# Altium PCB XT_NANO_DOCK.PcbDoc
Units mm, origin at the board's own origin, x right, y up, seen from the top; angles counter-clockwise.
Board outline 70.1 x 70 mm, 4 copper layers (Top Layer, Ground plane, Power plane, Bottom Layer), stack 1.571 mm thick; 100 components, 75 nets, 345 pads, 428 vias.
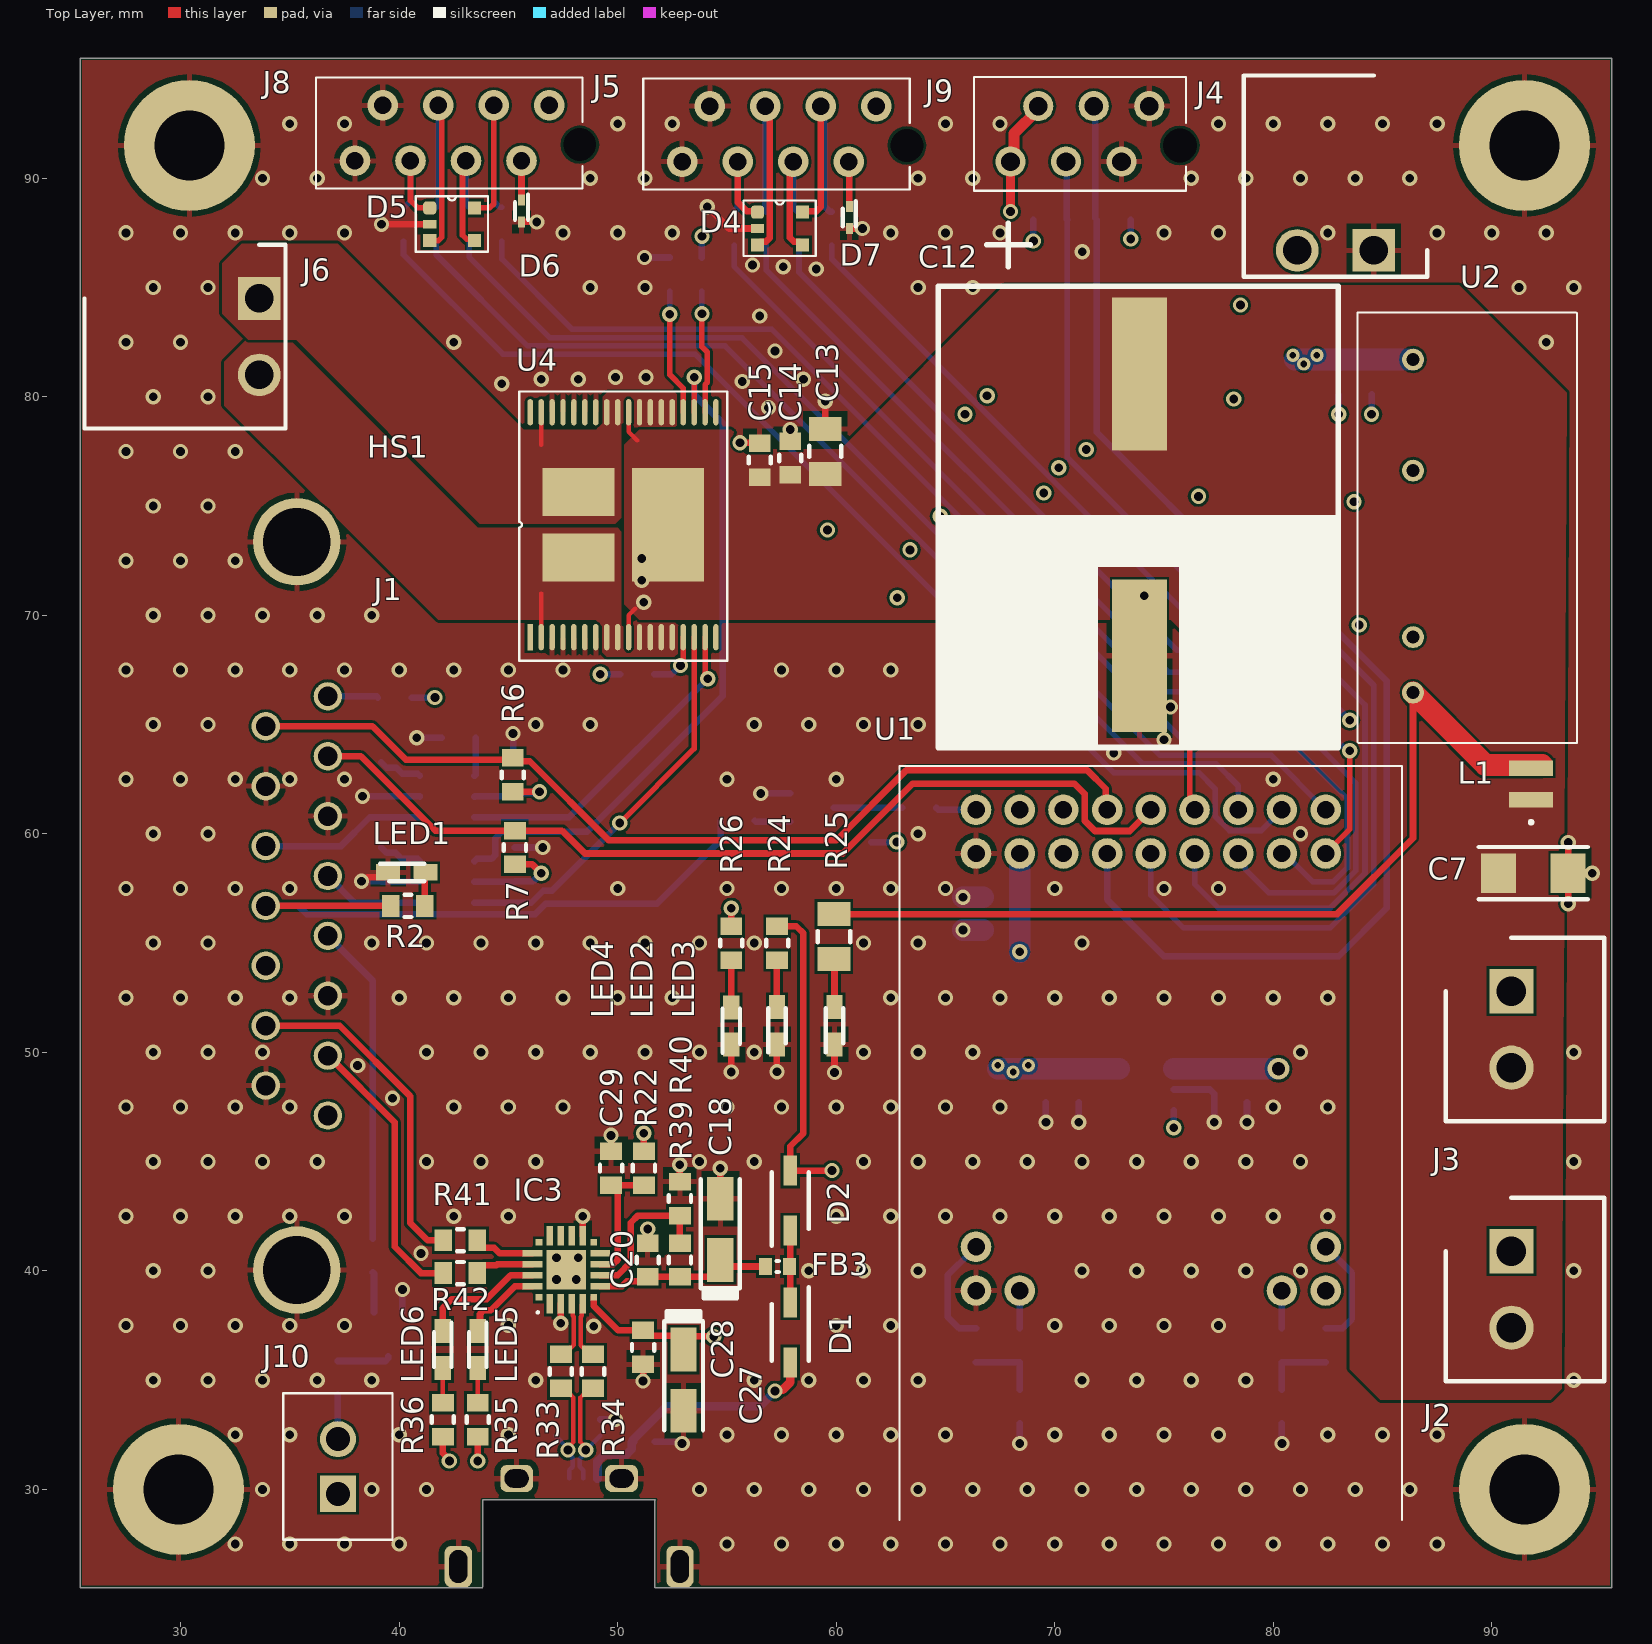
[diagram p0: Top Layer view]
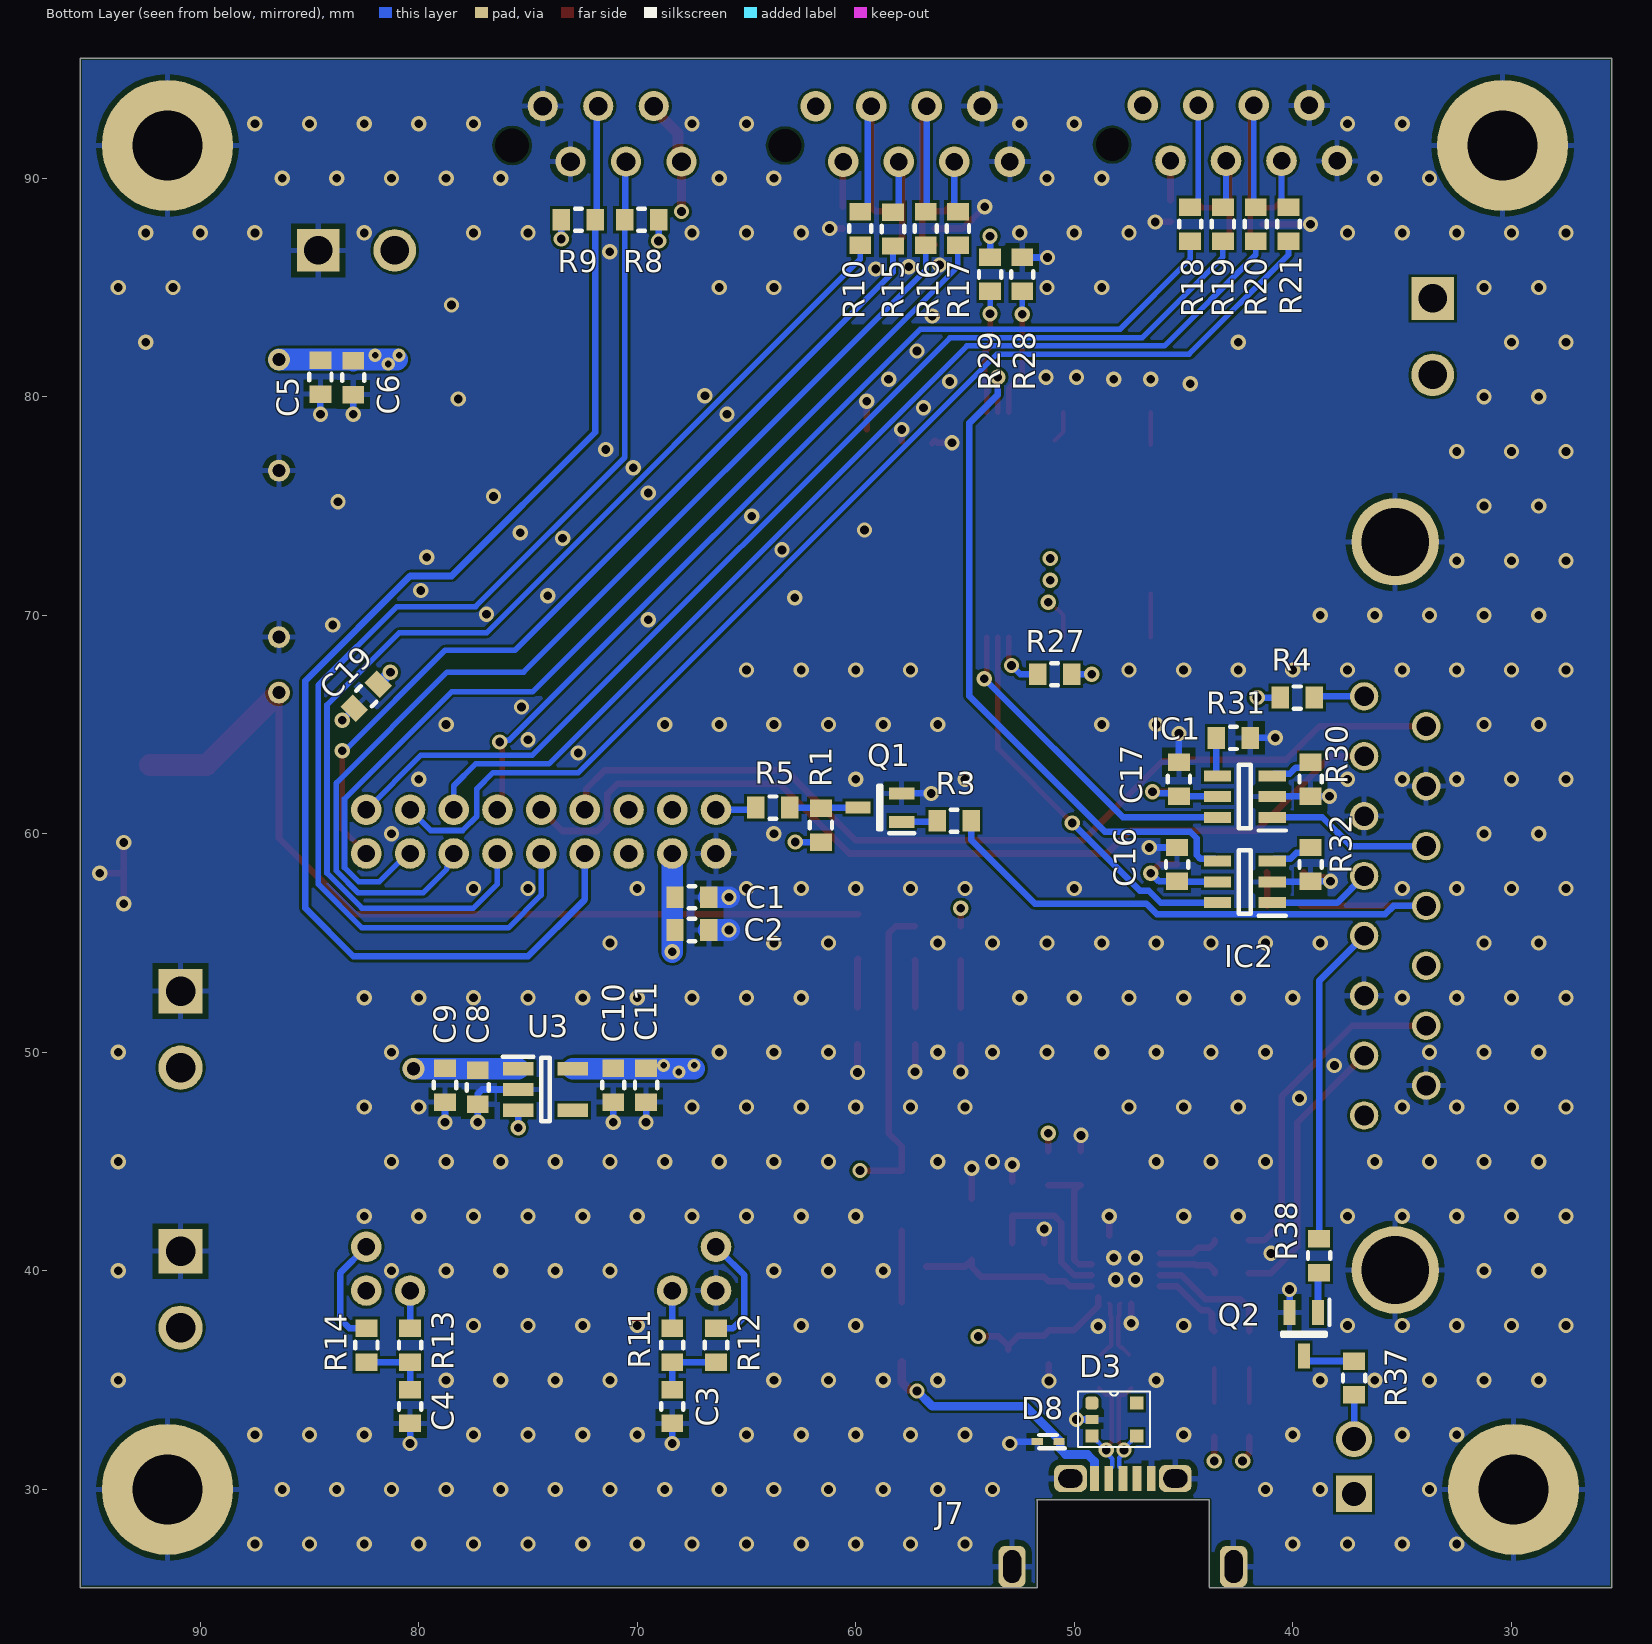
[diagram p1: Bottom Layer view, seen from below]
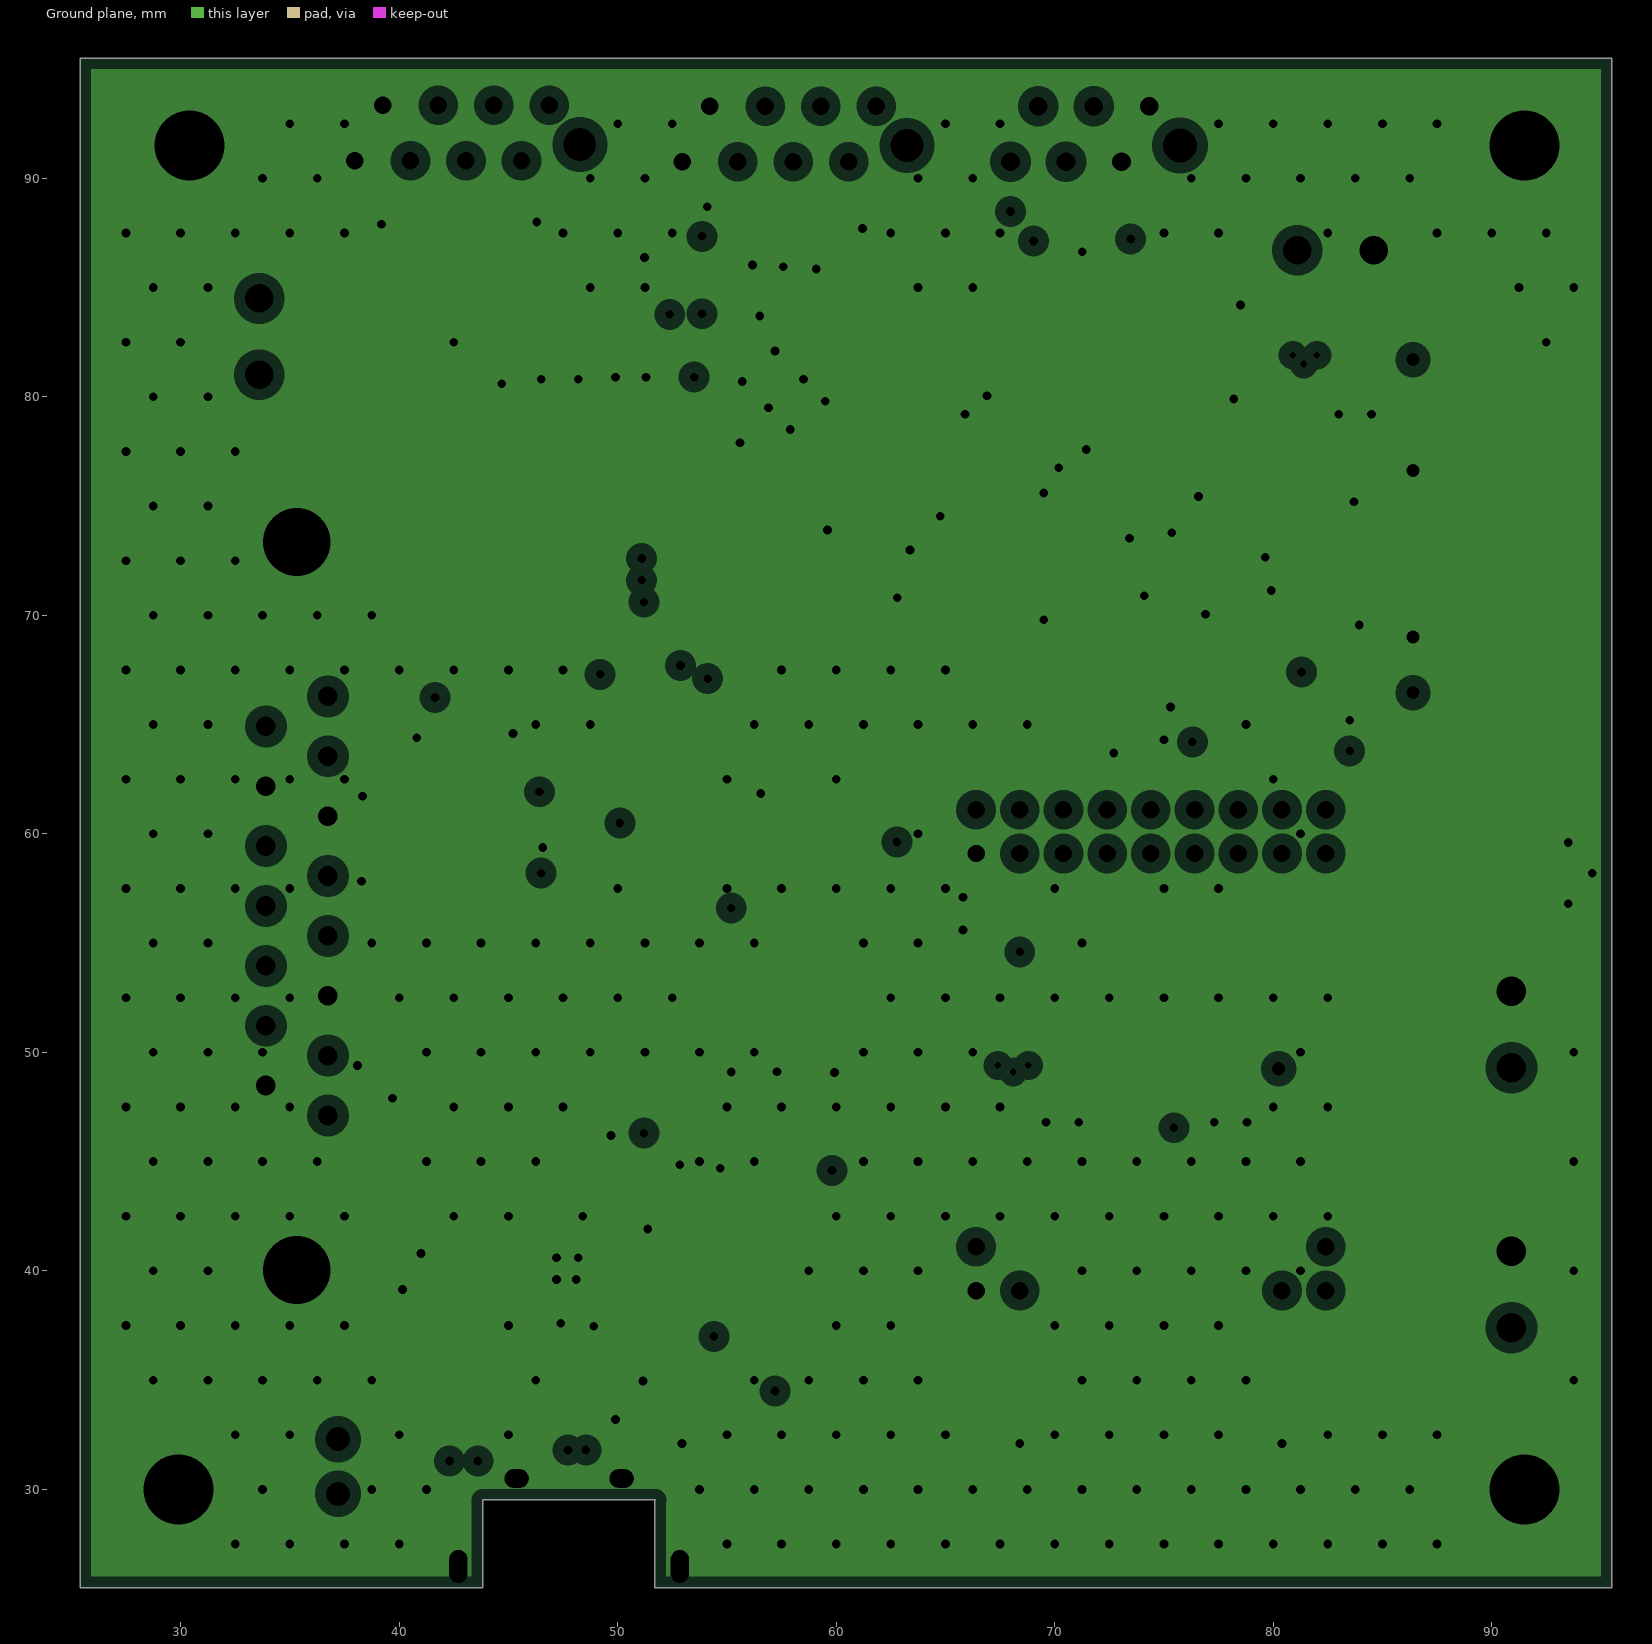
[diagram p2: Ground plane, clearances drawn from the general rule]
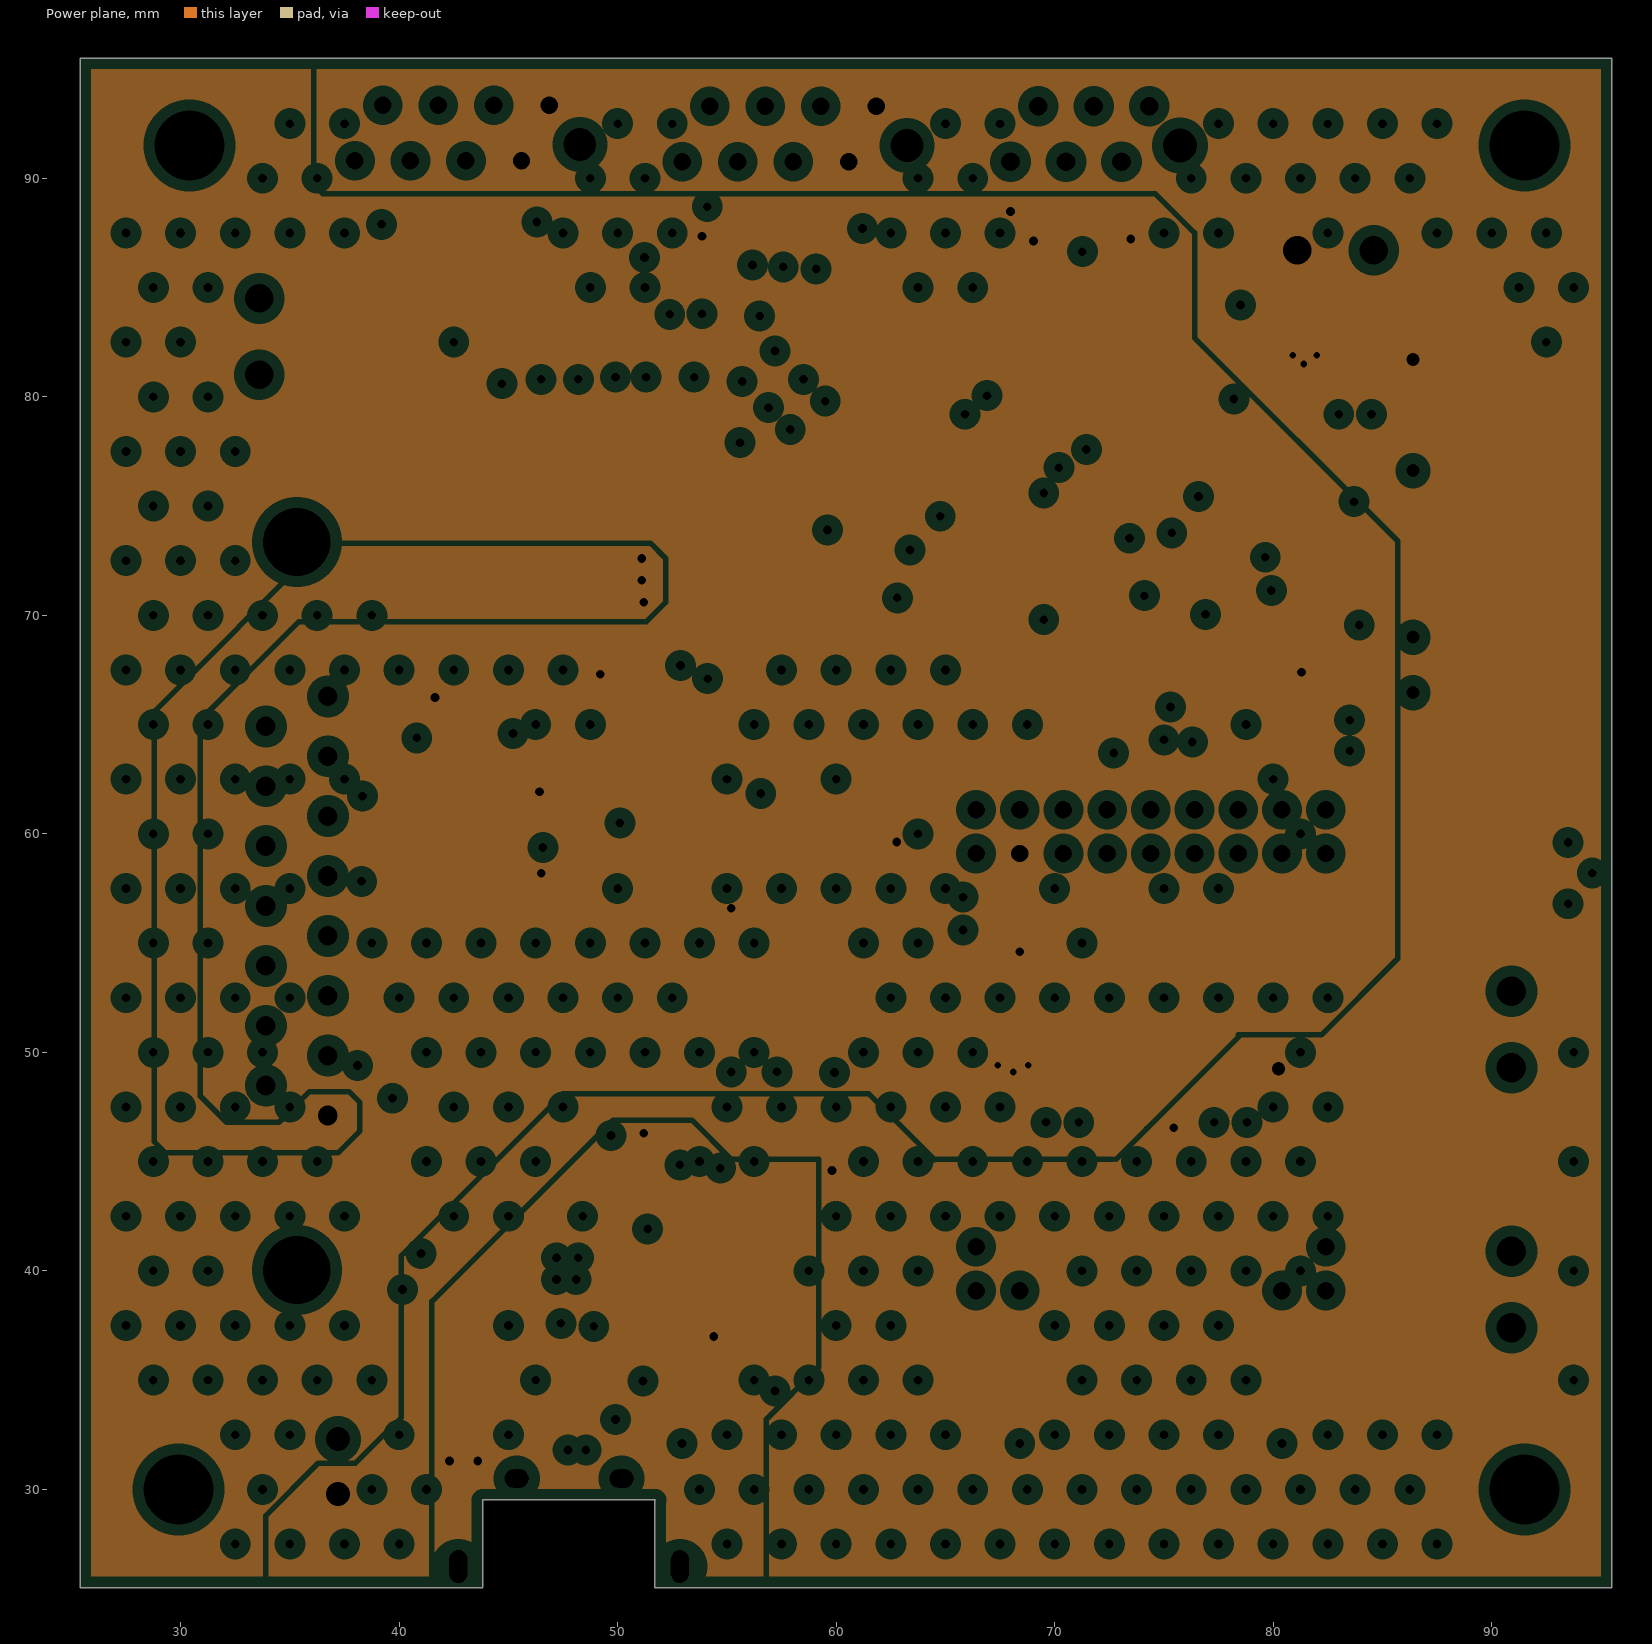
[diagram p3: Power plane, clearances drawn from the general rule]
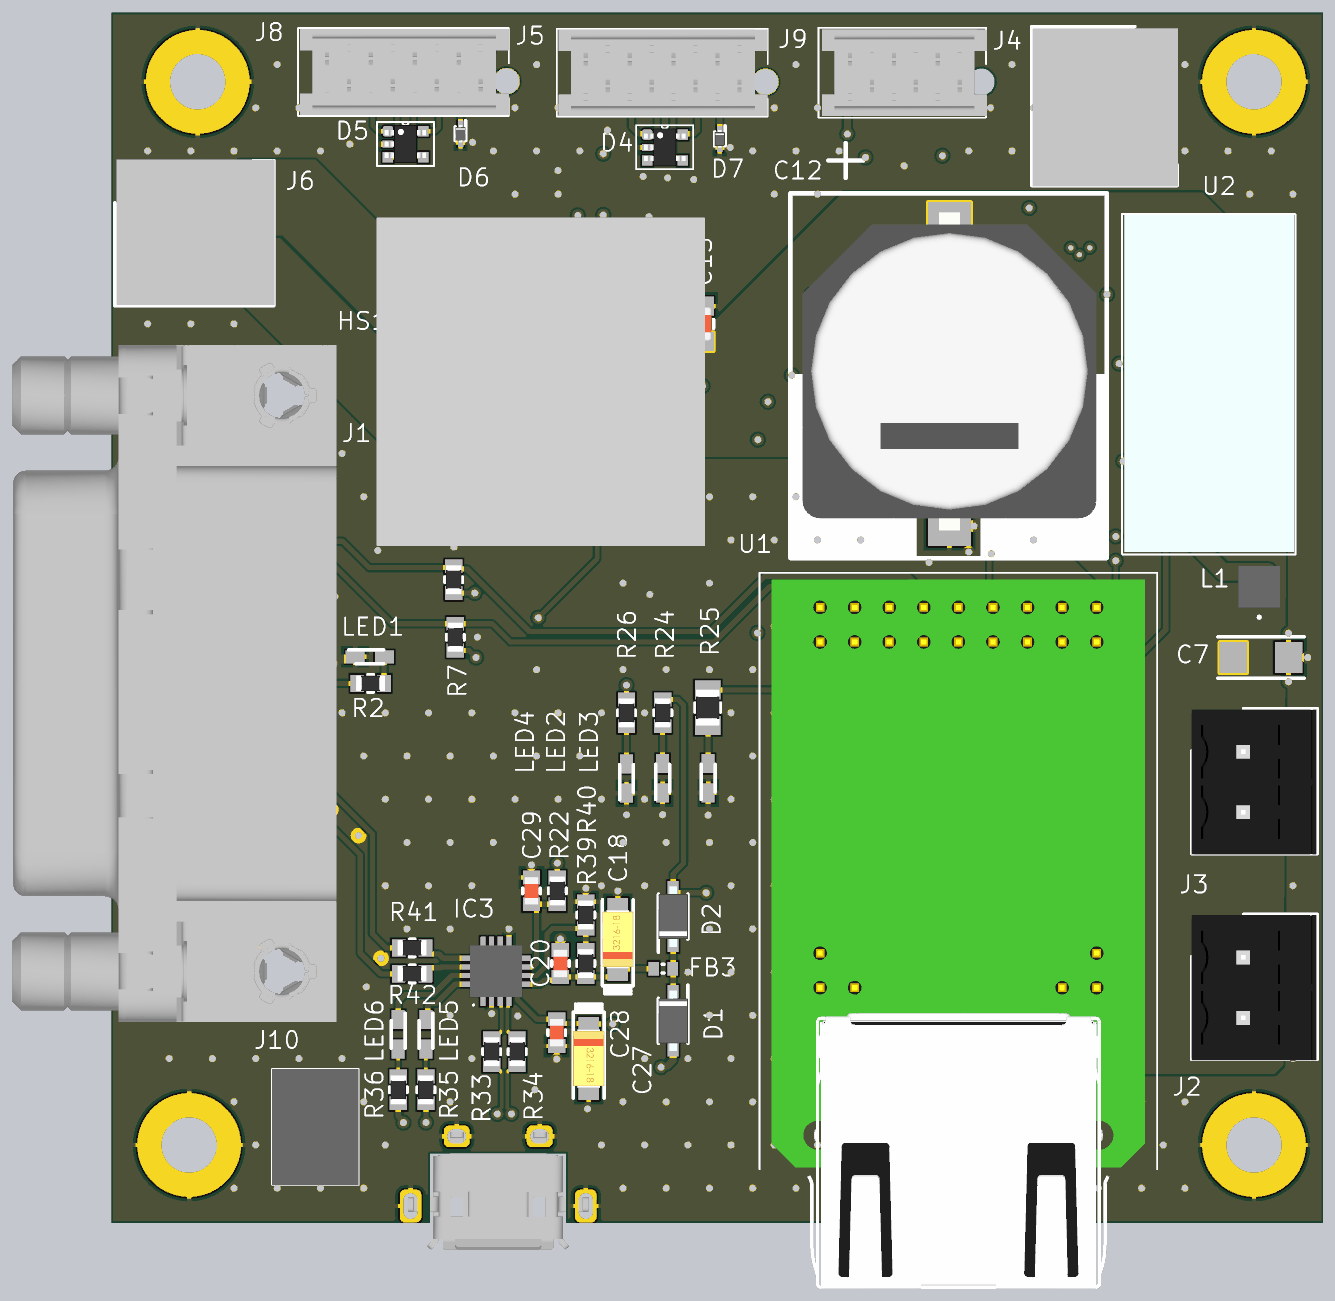
[diagram p4: 3D render of the assembled board from above, using the file's embedded part models]
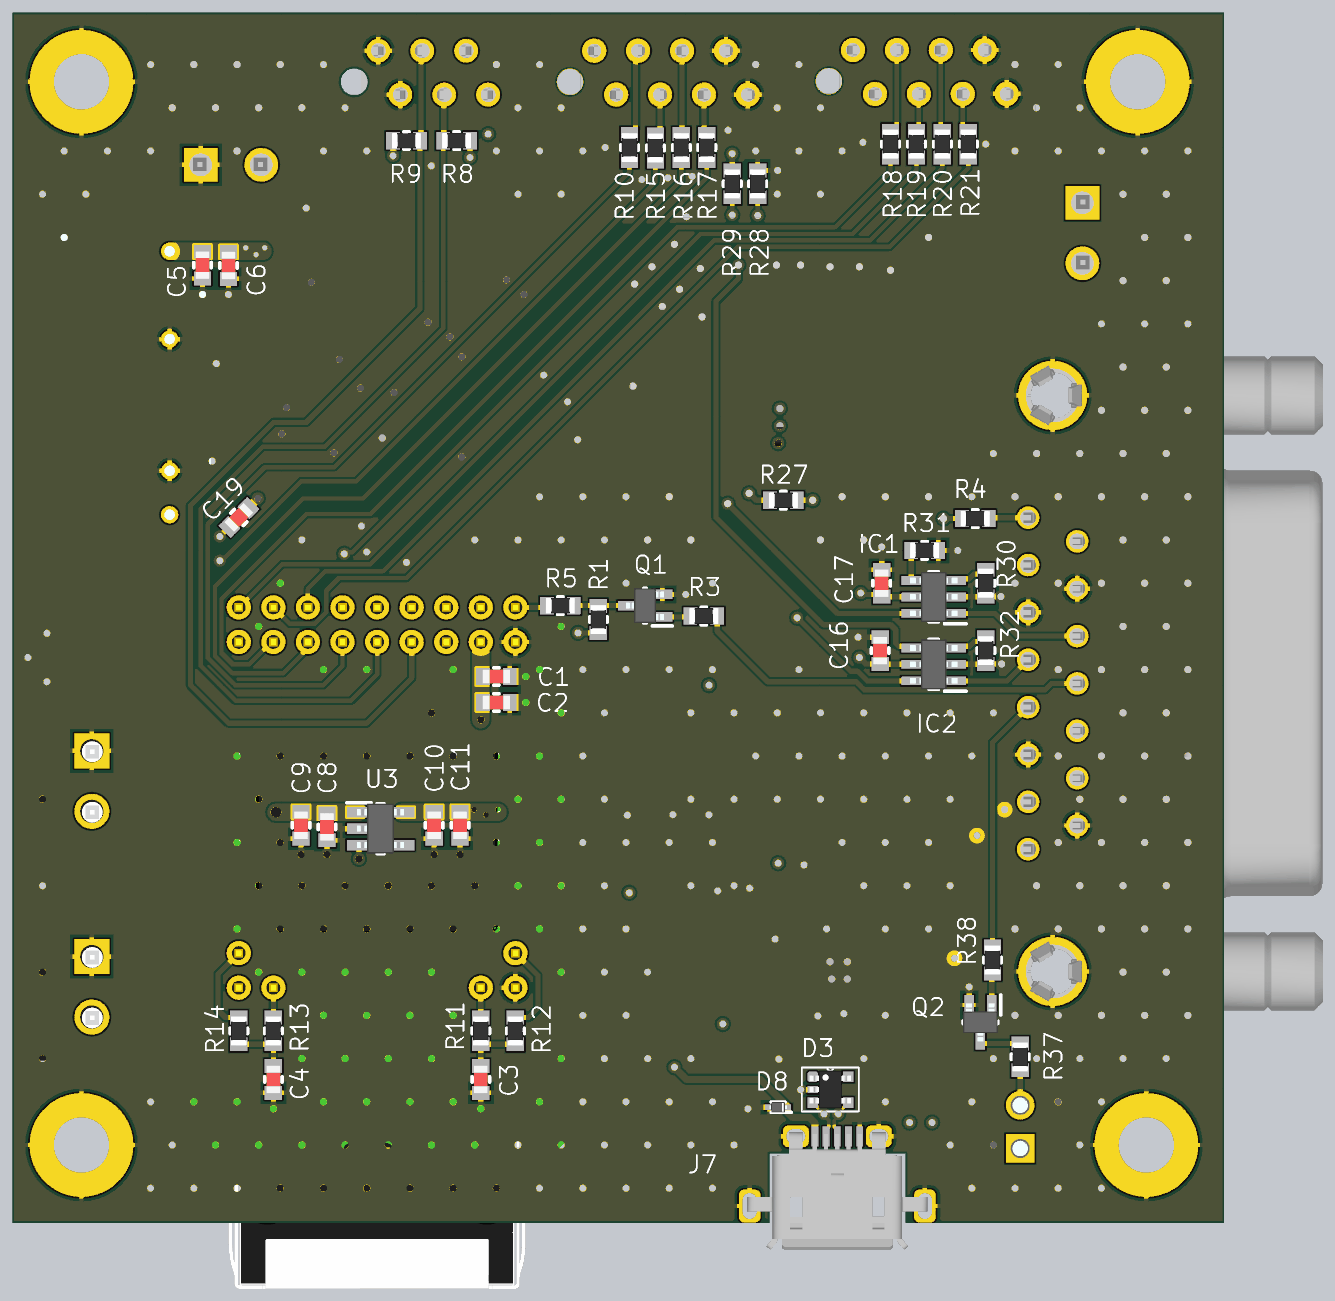
[diagram p5: 3D render of the assembled board from below, using the file's embedded part models]

## Layer stack, top to bottom
Top Solder: solder mask 0.0102, Solder Resist, Dk 3.5
Top Layer: signal copper 0.0356
Dielectric 2: prepreg 0.36, PP-006, Dk 4.2
Ground plane: plane copper 0.035, net GND
Dielectric 1: core 0.71, Core-009, Dk 4.2
Power plane: plane copper 0.035, net (Multiple Nets)
Dielectric 3: prepreg 0.36, PP-006, Dk 4.2
Bottom Layer: signal copper 0.0356
Bottom Solder: solder mask 0.0102, Solder Resist, Dk 3.5

## Board outline
25.4,25.5 25.4,95.5 95.5,95.5 95.5,25.5 51.7,25.5 51.7,29.491 51.729,29.52 43.829,29.52 43.829,25.529 43.8,25.5

## Design rules (kind name [scope] priority, off if disabled: settings)
BoardOutlineClearance [All] p1: gap=0.1 ignorepadtopadclearanceinfootprint=FALSE
Clearance [All] p1: gap=0.12 ignorepadtopadclearanceinfootprint=FALSE
DiffPairsRouting [All] p1: maxlimit=0.254 minlimit=0.1 mostfreqgap=0.12 toplayer_minwidth=0.2 toplayer_maxwidth=0.381 toplayer_prefwidth=0.3 bottomlayer_minwidth=0.2 bottomlayer_maxwidth=0.381 bottomlayer_prefwidth=0.3 maxuncoupledlength=12.7
HoleSize [All] p1: absolutevalues=TRUE maxlimit=4 minlimit=0.025 maxpercent=80.000 minpercent=20.000
HoleToHoleClearance [All] p1: gap=0.15 allowstackedmicrovias=TRUE
PlaneClearance [All] p1: clearance=0.508
PlaneConnect [All] p1: pad.planeconnectstyle=Relief pad.reliefexpansion=0.508 pad.reliefentries=4 pad.reliefconductorwidth=0.254 pad.reliefairgap=0.254 via.planeconnectstyle=Direct via.reliefexpansion=0.508 via.reliefentries=4 via.reliefconductorwidth=0.254 via.reliefairgap=0.254
PolygonConnect PolygonConnect_Peliter [InNet('VCC_15V')  OR InNet('NetJ6_1') OR InNet('NetJ6_2')] p1: connectstyle=Direct reliefconductorwidth=0.254 reliefentries=4 polygonreliefangle="90 Angle" airgapwidth=0.254
PolygonConnect [All] p2: thpad.connectstyle=Relief thpad.reliefconductorwidth=0.254 thpad.reliefentries=4 thpad.polygonreliefangle="90 Angle" thpad.airgapwidth=0.254 smdpad.connectstyle=Relief smdpad.reliefconductorwidth=0.254 smdpad.reliefentries=4 smdpad.polygonreliefangle="90 Angle" smdpad.airgapwidth=0.254 via.connectstyle=Direct via.reliefconductorwidth=0.254 via.reliefentries=4 via.polygonreliefangle="90 Angle" via.airgapwidth=0.254
RoutingVias [All] p1: holewidth=0.4 width=0.7 viastyle="Through Hole" minholewidth=0.3 minwidth=0.6 maxholewidth=1.5 maxwidth=2
SilkToSilkClearance [All] p1: silktosilkclearance=0.1
SilkToSolderMaskClearance [IsPad] p1: minsilkscreentomaskgap=0.1 clearancetoexposedcopper=TRUE
SolderMaskExpansion [All] p1: expansion=0.102 istentingtop=FALSE
Width [All] p1: maxlimit=3 minlimit=0.1 preferedwidth=0.2
23 further rules are at their usual default settings.

## Classes and differential pairs
component class XT_NANO_DOCK: C1 C2 C3 C4 LED1 Q1 R1 R2 R3 R5 R11 R12 R13 R14 U1
component class USBConverter: C18 C20 C27 C28 C29 D1 D2 FB3 LED5 LED6 R22 R33 R34 R35 R36 R39 R40 R41 R42
component class Protection: D3 D4 D5 D6 D7 D8
component class PowerSupply: C5 C6 C7 C8 C9 C10 C11 C19 L1 LED2 LED3 LED4 R24 R25 R26 U2 U3
component class PeltierControl: C12 C13 C14 C15 C16 C17 HS1 IC1 IC2 R27 R28 R29 R30 R31 R32 U4
component class Connectors: External_D1 J1 J2 J3 J4 J5 J6 J7 J8 J9 J10 Peltier1 Plug1 Plug2 Plug3 Plug4 Plug5 Plug6 Plug7 Plug8 Plug9 Q2 R4 R6 R7 R8 R9 R10 R15 R16 R17 R18 R19 R20 R21 R37 R38
differential pair USB: +USB_P -USB_N
differential pair USB_prot: +USB_prot_P -USB_prot_N
